# KiCad board Soldermander_panelized_panelized.kicad_pcb (continued)
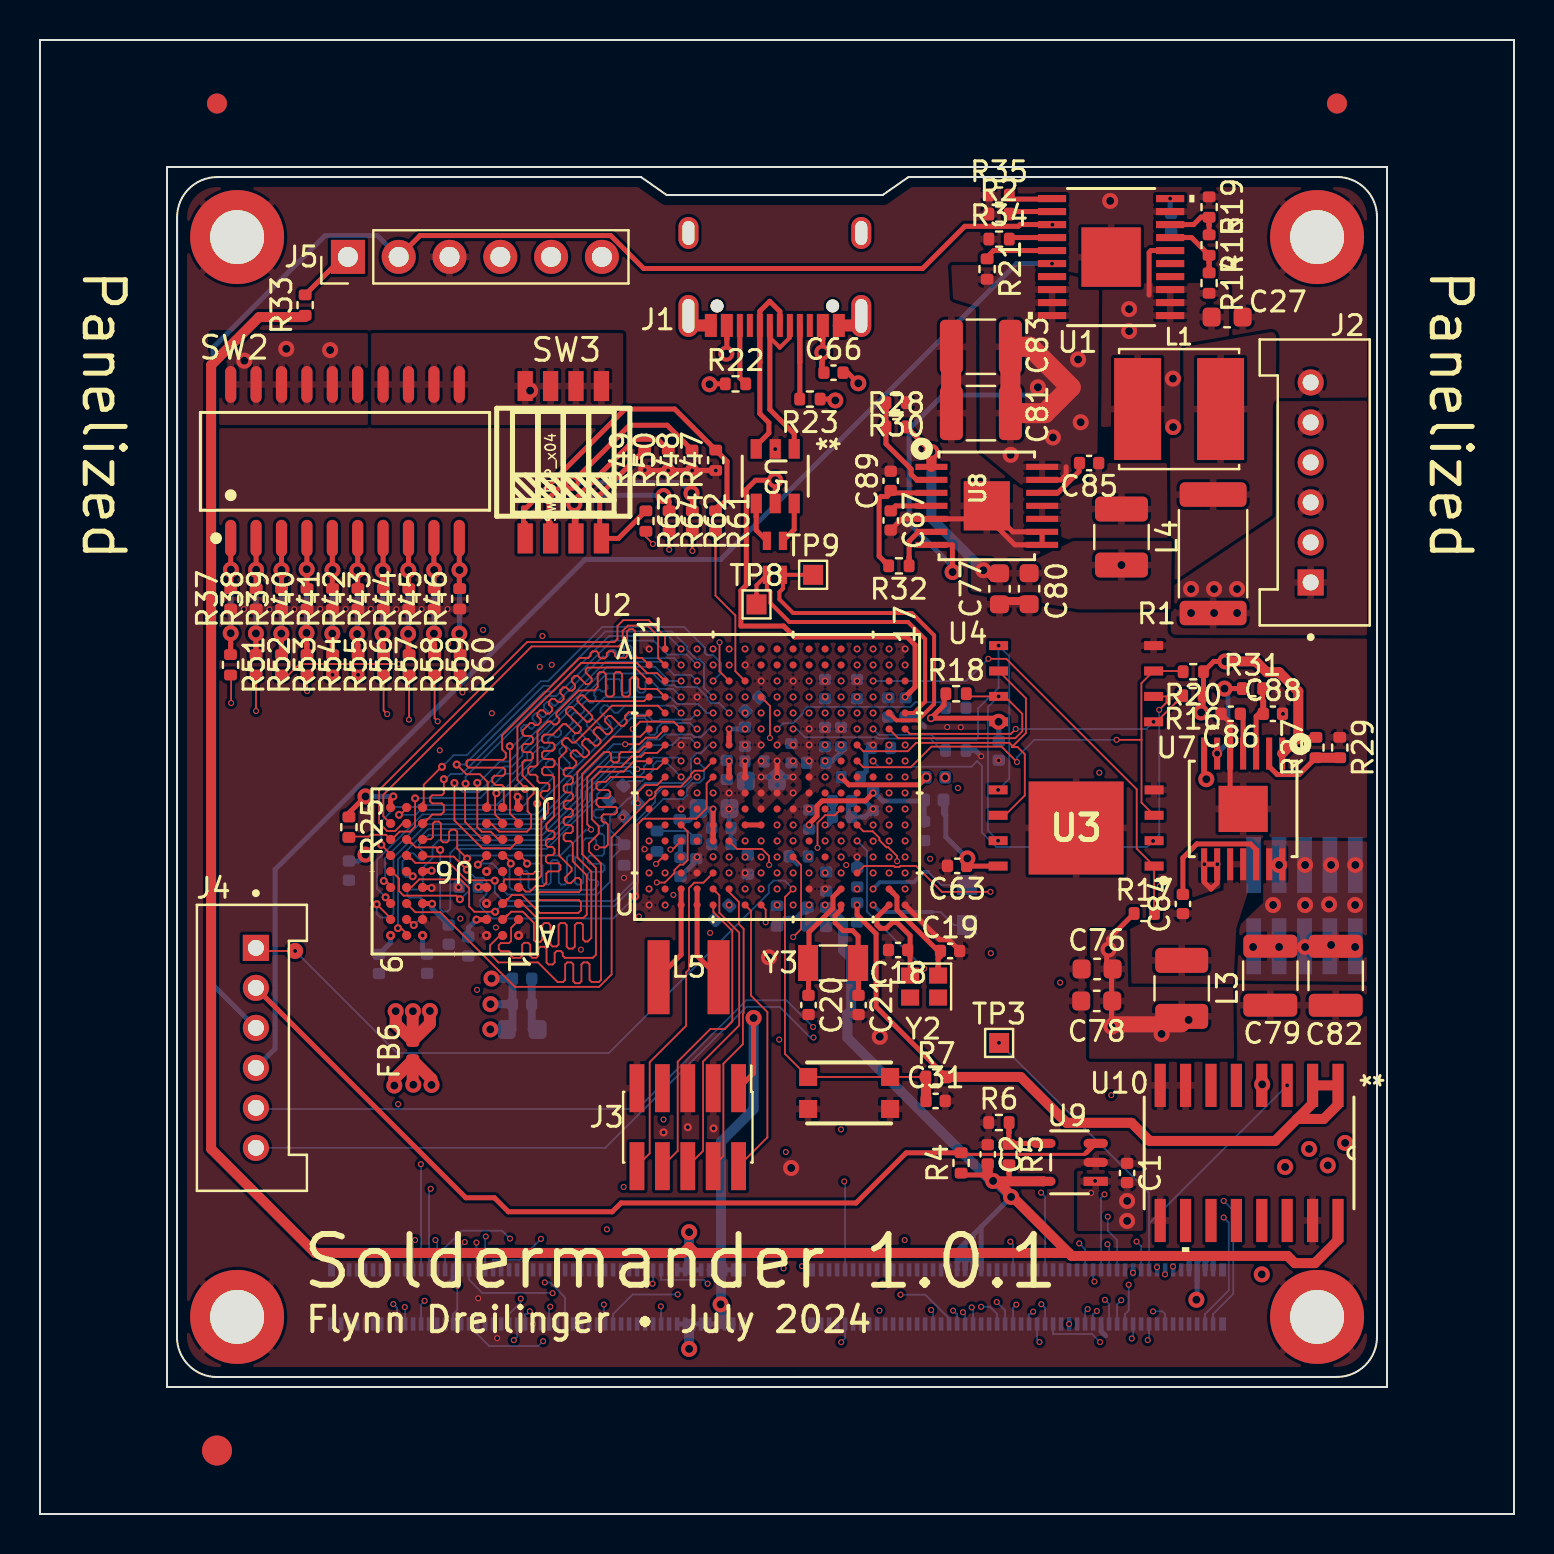
[diagram p0: board, top side]
## Footprints (pads in the part's own frame, mm; a bottom-side part is the same pattern mirrored in y, then rotated) (continued)
TestPoint_Pad_1.0x1.0mm
  rect 1x1 smd: 1(0,0)
U_MIMXRT1176DVMAA_NXP
  round 0.356 smd: A1(-6.4,6.401) A2(-5.6,6.401) A3(-4.8,6.401) A4(-4,6.401) A5(-3.2,6.401) A6(-2.4,6.401) A7(-1.6,6.401) A8(-0.8,6.401) A9(0,6.401) A10(0.8,6.401) A11(1.6,6.401) A12(2.4,6.401) A13(3.2,6.401) A14(4,6.401) A15(4.8,6.401) A16(5.6,6.401) A17(6.4,6.401) B1(-6.4,5.601) B2(-5.6,5.601) B3(-4.8,5.601) B4(-4,5.601) B5(-3.2,5.601) B6(-2.4,5.601) B7(-1.6,5.601) B8(-0.8,5.601) B9(0,5.601) B10(0.8,5.601) B11(1.6,5.601) B12(2.4,5.601) B13(3.2,5.601) B14(4,5.601) B15(4.8,5.601) B16(5.6,5.601) B17(6.4,5.601) C1(-6.4,4.801) C2(-5.6,4.801) C3(-4.8,4.801) C4(-4,4.801) C5(-3.2,4.801) C6(-2.4,4.801) C7(-1.6,4.801) C8(-0.8,4.801) C9(0,4.801) C10(0.8,4.801) C11(1.6,4.801) C12(2.4,4.801) C13(3.2,4.801) C14(4,4.801) C15(4.8,4.801) C16(5.6,4.801) C17(6.4,4.801) D1(-6.4,4) D2(-5.6,4) D3(-4.8,4) D4(-4,4) D5(-3.2,4) D6(-2.4,4) D7(-1.6,4) D8(-0.8,4) D9(0,4) D10(0.8,4) D11(1.6,4) D12(2.4,4) D13(3.2,4) D14(4,4) D15(4.8,4) D16(5.6,4) D17(6.4,4) E1(-6.4,3.2) E2(-5.6,3.2) E3(-4.8,3.2) E4(-4,3.2) E5(-3.2,3.2) E6(-2.4,3.2) E7(-1.6,3.2) E8(-0.8,3.2) E9(0,3.2) E10(0.8,3.2) E11(1.6,3.2) E12(2.4,3.2) E13(3.2,3.2) E14(4,3.2) E15(4.8,3.2) E16(5.6,3.2) E17(6.4,3.2) F1(-6.4,2.4) F2(-5.6,2.4) F3(-4.8,2.4) F4(-4,2.4) F5(-3.2,2.4) F6(-2.4,2.4) F7(-1.6,2.4) F8(-0.8,2.4) F9(0,2.4) F10(0.8,2.4) F11(1.6,2.4) F12(2.4,2.4) F13(3.2,2.4) F14(4,2.4) F15(4.8,2.4) F16(5.6,2.4) F17(6.4,2.4) G1(-6.4,1.6) G2(-5.6,1.6) G3(-4.8,1.6) G4(-4,1.6) G5(-3.2,1.6) G6(-2.4,1.6) G7(-1.6,1.6) G8(-0.8,1.6) G9(0,1.6) G10(0.8,1.6) G11(1.6,1.6) G12(2.4,1.6) G13(3.2,1.6) G14(4,1.6) G15(4.8,1.6) G16(5.6,1.6) G17(6.4,1.6) H1(-6.4,0.8) H2(-5.6,0.8) H3(-4.8,0.8) H4(-4,0.8) H5(-3.2,0.8) H6(-2.4,0.8) H7(-1.6,0.8) H8(-0.8,0.8) H9(0,0.8) H10(0.8,0.8) H11(1.6,0.8) H12(2.4,0.8) H13(3.2,0.8) H14(4,0.8) H15(4.8,0.8) H16(5.6,0.8) H17(6.4,0.8) J1(-6.4,0) J2(-5.6,0) J3(-4.8,0) J4(-4,0) J5(-3.2,0) J6(-2.4,0) J7(-1.6,0) J8(-0.8,0) J9(0,0) J10(0.8,0) J11(1.6,0) J12(2.4,0) J13(3.2,0) J14(4,0) J15(4.8,0) J16(5.6,0) J17(6.4,0) K1(-6.4,-0.8) K2(-5.6,-0.8) K3(-4.8,-0.8) K4(-4,-0.8) K5(-3.2,-0.8) K6(-2.4,-0.8) K7(-1.6,-0.8) K8(-0.8,-0.8) K9(0,-0.8) K10(0.8,-0.8) K11(1.6,-0.8) K12(2.4,-0.8) K13(3.2,-0.8) K14(4,-0.8) K15(4.8,-0.8) K16(5.6,-0.8) K17(6.4,-0.8) L1(-6.4,-1.6) L2(-5.6,-1.6) L3(-4.8,-1.6) L4(-4,-1.6) L5(-3.2,-1.6) L6(-2.4,-1.6) L7(-1.6,-1.6) L8(-0.8,-1.6) L9(0,-1.6) L10(0.8,-1.6) L11(1.6,-1.6) L12(2.4,-1.6) L13(3.2,-1.6) L14(4,-1.6) L15(4.8,-1.6) L16(5.6,-1.6) L17(6.4,-1.6) M1(-6.4,-2.4) M2(-5.6,-2.4) M3(-4.8,-2.4) M4(-4,-2.4) M5(-3.2,-2.4) M6(-2.4,-2.4) M7(-1.6,-2.4) M8(-0.8,-2.4) M9(0,-2.4) M10(0.8,-2.4) M11(1.6,-2.4) M12(2.4,-2.4) M13(3.2,-2.4) M14(4,-2.4) M15(4.8,-2.4) M16(5.6,-2.4) M17(6.4,-2.4) N1(-6.4,-3.2) N2(-5.6,-3.2) N3(-4.8,-3.2) N4(-4,-3.2) N5(-3.2,-3.2) N6(-2.4,-3.2) N7(-1.6,-3.2) N8(-0.8,-3.2) N9(0,-3.2) N10(0.8,-3.2) N11(1.6,-3.2) N12(2.4,-3.2) N13(3.2,-3.2) N14(4,-3.2) N15(4.8,-3.2) N16(5.6,-3.2) N17(6.4,-3.2) P1(-6.4,-4) P2(-5.6,-4) P3(-4.8,-4) P4(-4,-4) P5(-3.2,-4) P6(-2.4,-4) P7(-1.6,-4) P8(-0.8,-4) P9(0,-4) P10(0.8,-4) P11(1.6,-4) P12(2.4,-4) P13(3.2,-4) P14(4,-4) P15(4.8,-4) P16(5.6,-4) P17(6.4,-4) R1(-6.4,-4.801) R2(-5.6,-4.801) R3(-4.8,-4.801) R4(-4,-4.801) R5(-3.2,-4.801) R6(-2.4,-4.801) R7(-1.6,-4.801) R8(-0.8,-4.801) R9(0,-4.801) R10(0.8,-4.801) R11(1.6,-4.801) R12(2.4,-4.801) R13(3.2,-4.801) R14(4,-4.801) R15(4.8,-4.801) R16(5.6,-4.801) R17(6.4,-4.801) T1(-6.4,-5.601) T2(-5.6,-5.601) T3(-4.8,-5.601) T4(-4,-5.601) T5(-3.2,-5.601) T6(-2.4,-5.601) T7(-1.6,-5.601) T8(-0.8,-5.601) T9(0,-5.601) T10(0.8,-5.601) T11(1.6,-5.601) T12(2.4,-5.601) T13(3.2,-5.601) T14(4,-5.601) T15(4.8,-5.601) T16(5.6,-5.601) T17(6.4,-5.601) U1(-6.4,-6.401) U2(-5.6,-6.401) U3(-4.8,-6.401) U4(-4,-6.401) U5(-3.2,-6.401) U6(-2.4,-6.401) U7(-1.6,-6.401) U8(-0.8,-6.401) U9(0,-6.401) U10(0.8,-6.401) U11(1.6,-6.401) U12(2.4,-6.401) U13(3.2,-6.401) U14(4,-6.401) U15(4.8,-6.401) U16(5.6,-6.401) U17(6.4,-6.401)
UDFN800X600X65-8
  rect 0.95x0.45 smd: 1(3.875,-1.905) 2(3.875,-0.635) 3(3.875,0.635) 4(3.875,1.905) 5(-3.875,1.905) 6(-3.875,0.635) 7(-3.875,-0.635) 8(-3.875,-1.905)
USB_C_Receptacle_XKB_U262-161N-4BVC11
  round 0.65 hole 0.65 unplated: (-2.39,4.045) (3.39,4.045)
  rect 0.6x1.15 smd: A1(-2.7,5.02) A4(-1.9,5.02) A9(2.9,5.02) A12(3.7,5.02)
  rect 0.3x1.15 smd: A5(-0.75,5.02) A6(0.25,5.02) A7(0.75,5.02) A8(1.75,5.02) B5(2.25,5.02) B6(1.25,5.02) B7(-0.25,5.02) B8(-1.25,5.02)
  oval 1x2.1 hole 0.6x1.7: S1(-3.82,4.545) S1(4.82,4.545)
  oval 1x1.6 hole 0.6x1.2: S1(-3.82,0.395) S1(4.82,0.395)
VFBGA54_8X8_MRN
  round 0.457 smd: A1(-3.2,3.2) A2(-2.4,3.2) A3(-1.6,3.2) A7(1.6,3.2) A8(2.4,3.2) A9(3.2,3.2) B1(-3.2,2.4) B2(-2.4,2.4) B3(-1.6,2.4) B7(1.6,2.4) B8(2.4,2.4) B9(3.2,2.4) C1(-3.2,1.6) C2(-2.4,1.6) C3(-1.6,1.6) C7(1.6,1.6) C8(2.4,1.6) C9(3.2,1.6) D1(-3.2,0.8) D2(-2.4,0.8) D3(-1.6,0.8) D7(1.6,0.8) D8(2.4,0.8) D9(3.2,0.8) E1(-3.2,0) E2(-2.4,0) E3(-1.6,0) E7(1.6,0) E8(2.4,0) E9(3.2,0) F1(-3.2,-0.8) F2(-2.4,-0.8) F3(-1.6,-0.8) F7(1.6,-0.8) F8(2.4,-0.8) F9(3.2,-0.8) G1(-3.2,-1.6) G2(-2.4,-1.6) G3(-1.6,-1.6) G7(1.6,-1.6) G8(2.4,-1.6) G9(3.2,-1.6) H1(-3.2,-2.4) H2(-2.4,-2.4) H3(-1.6,-2.4) H7(1.6,-2.4) H8(2.4,-2.4) H9(3.2,-2.4) J1(-3.2,-3.2) J2(-2.4,-3.2) J3(-1.6,-3.2) J7(1.6,-3.2) J8(2.4,-3.2) J9(3.2,-3.2)

## Nets
/RT1176 #1/VDD_LPSR_ANA: U2.P12
/RT1176 #1/VDD_LPSR_DIG: C23.1 U2.P11
/RT1176 #1/VDDA_ADC_3P3: C41.1 FB1.1 U2.J13
/RT1176 #3/VDD_MIPI_1P0: R3.1 U2.F10
/RT1176 #3/VDD_MIPI_1P8: R12.1 U2.F9
GND: C1.1 C2.1 C3.1 C4.2 C5.2 C6.2 C7.2 C8.2 C9.2 C10.2 C11.1 C14.2 C16.2 C18.2 C19.2 C20.2 C21.2 C23.2 C24.2 C25.2 C27.2 C28.2 C29.2 C31.2 C34.2 C38.2 C40.2 C41.2 C43.2 C44.2 C45.2 C46.2 C47.2 C48.2 C49.2 C50.2 C51.2 C52.2 C58.2 C59.2 C60.2 C61.2 C62.2 C63.2 C67.2 C68.2 C69.2 C70.2 C71.2 C72.2 C73.2 C74.2 C75.2 C76.1 C77.1 C78.1 C79.2 C80.1 C81.2 C82.2 C83.2 C86.2 C87.2 C88.2 C89.2 H1.1 H2.1 H3.1 H4.1 J2.2 J2.4 J2.6 J3.3 J3.5 J3.9 J5.3 J6.9 J6.10 J6.19 J6.24 J6.29 J6.36 J6.39 J6.49 J6.50 J6.58 J6.59 J6.68 J6.69 J6.78 J6.79 J6.88 J6.89 J6.99 J6.100 J6.MH1 J6.MH2 J6.MH3 J6.MH4 J7.18 J7.27 J7.32 J7.39 J7.46 J7.51 J7.60 J7.63 J7.72 J7.75 J7.84 J7.89 J7.90 J7.91 J7.93 J7.95 J7.96 J7.97 J7.99 J7.MH1 J7.MH2 J7.MH3 J7.MH4 R2.1 R3.2 R6.1 R9.1 R10.1 R12.2 R19.1 R24.2 R29.1 R30.1 R34.1 R35.1 R37.1 R38.1 R39.1 R40.1 R41.1 R42.1 R43.1 R44.1 R45.1 R46.1 R47.1 R48.1 R49.1 R50.1 SW1.B SW1.B' U1.9 U1.21 U2.A1 U2.A17 U2.B7 U2.C8 U2.C10 U2.C12 U2.C14 U2.D4 U2.F11 U2.F12 U2.F13 U2.G3 U2.G7 U2.G8 U2.G9 U2.G10 U2.G11 U2.G15 U2.H7 U2.H11 U2.J7 U2.J11 U2.K6 U2.K7 U2.K11 U2.L3 U2.L6 U2.L10 U2.L11 U2.L15 U2.P4 U2.P14 U2.R4 U2.R7 U2.T11 U2.T12 U2.U1 U2.U17 U3.4 U3.9 U4.4 U5.2 U6.A1 U6.A3 U6.B7 U6.C3 U6.D7 U6.E3 U6.J1 U7.5 U7.8 U7.9 U7.15 U8.5 U8.8 U8.9 U8.15 U9.2 U10.7 U10.8 U10.9 U10.15
GNDREF: C66.2 J1.A1 J1.A12 J1.S1 J5.4 R22.1 R23.1
VBATT: C1.2 C27.1 L1.2 R14.2 U1.1 U1.2 U1.3 U1.6 U9.1
VBATT_IN: J2.1 J2.3 J2.5 J5.5 R1.1
VBATT_SENSE: L1.1 R1.2
VDD_1V8: C47.1 C49.1 C50.1 C51.1 C58.1 C62.1 C63.1 C76.2 C78.2 FB2.1 FB6.1 J7.9 J7.10 J7.11 J7.12 J7.13 J7.14 J7.15 J7.16 L3.2 R16.1 R17.1 R18.1 R20.1 R27.2 SW2.15 SW2.16 SW2.17 SW2.18 SW2.19 SW2.20 U2.D12 U2.D14 U2.F6 U2.F7 U2.G6 U2.G13 U2.H12 U3.8 U4.8 U7.1
VDD_3V3: C9.1 C16.1 C24.1 C28.1 C44.1 C45.1 C46.1 C48.1 C52.1 C59.1 C77.2 C80.2 FB1.2 J3.1 J6.2 J6.4 J6.6 J6.8 J7.1 J7.2 J7.3 J7.4 J7.5 J7.6 J7.7 J7.8 L4.2 R11.2 R28.2 SW2.11 SW2.12 SW2.13 SW2.14 SW3.5 SW3.6 SW3.7 SW3.8 U2.E7 U2.G12 U2.H6 U2.J6 U2.L5 U2.M5 U2.M12 U2.N5 U2.P7 U2.R12 U8.1
VDD_3V3_LP: C2.2 C3.2 J6.60 J6.62 J6.64 J6.66 R4.1 R5.2 R33.1 U2.U12 U9.5 U10.16
VDD_SNVS_ANA: C8.1 C25.1 R7.2 R8.2 U2.U11 U2.U14 U10.1 U10.2
VDD_SNVS_DIG: C14.1 U2.T14
VDD_SOC_IN: C4.1 C6.1 C10.1 U2.H8 U2.H9 U2.H10 U2.J8 U2.J9 U2.J10 U2.K8 U2.K9 U2.K10 U2.L8
VDDA_1P0: U2.N11
/RT1176 #1/CLK1_N: TP2.1 U2.T15
/RT1176 #1/CLK1_P: TP1.1 U2.U15
/RT1176 #1/DCDC_MODE: C7.1 R9.2 U2.N4
/RT1176 #1/DCDC_PSWITCH: C29.1 R11.1 U2.P3
/RT1176 #3/MCM_3V3: C61.1 U2.D16
/RT1176 #3/SEMC_DQS: C5.1 U2.J2
/SDRAM/SDRAM_1V8: C67.1 C68.1 C69.1 C70.1 C71.1 C72.1 C73.1 C74.1 C75.1 FB6.2 R25.1 U6.A7 U6.A9 U6.B3 U6.C7 U6.D3 U6.E7 U6.J9
/SDRAM/SEMC_CLK_R: R26.2 U6.F2
/USB-C/USB_CON_DN: J1.A7 J1.B7 U5.1
/USB-C/USB_CON_DP: J1.A6 J1.B6 U5.3
ADC_1V8_IN: C34.1 C38.1 C40.1 C43.1 FB2.2 U2.G16 U2.K15 U2.M11
BT_CFG_IO_EN: J6.37 U2.P13
CAMERA_TRIG: J7.81 U2.T2
DAC_OUT: J6.20 U2.H16
DCDC_1V8_OUT: U2.M7 U2.M8
EN_ADCS: J4.3 J5.2 J6.22 U1.13 U10.4
EN_LP: J4.2 R4.2 U9.3
ENET_RGMII_MDC: J7.85 U2.U2
ENET_RGMII_MDIO: J7.87 U2.R3
ENET_RGMII_RX_EN: J7.20 U2.E13
ENET_RGMII_RXC: J7.22 U2.D13
ENET_RGMII_RXD0: J7.24 U2.D11
ENET_RGMII_RXD1: J7.26 U2.E11
ENET_RGMII_RXD2: J7.28 U2.E10
ENET_RGMII_RXD3: J7.30 U2.C11
ENET_RGMII_TX_EN_BT: R55.2 U2.B14
ENET_RGMII_TXC_BT: R56.2 U2.A14
ENET_RGMII_TXD0_BT: R54.2 U2.C13
ENET_RGMII_TXD1_BT: R53.2 U2.A15
ENET_RGMII_TXD2_BT: R52.2 U2.E12
ENET_RGMII_TXD3_BT: R51.2 U2.D10
FlexSPI_A_CLK: U2.G14 U3.6 U4.6
FlexSPI_A_D0: U2.F15 U3.5 U4.5
FlexSPI_A_D1: U2.H15 U3.2 U4.2
FlexSPI_A_D2: R20.2 U2.H14 U3.3 U4.3
FlexSPI_A_D3: R18.2 U2.F16 U3.7 U4.7
FlexSPI_A_SS0: R16.2 U2.F17 U4.1
FlexSPI_A_SS1: R17.2 U2.C15 U3.1
GPIO_AD_00: J6.25 U2.N12
GPIO_AD_01: J6.27 U2.R14
GPIO_AD_02: J6.31 U2.R13
GPIO_AD_03: J6.33 U2.P15
GPIO_AD_04: J6.35 U2.M13
GPIO_AD_06: J6.41 U2.N13
GPIO_AD_07: J6.43 U2.T17
GPIO_AD_08: J6.45 U2.R15
GPIO_AD_09: J6.47 U2.R16
GPIO_AD_10: J6.51 U2.R17
GPIO_AD_11: J6.53 U2.P16
GPIO_AD_12: J6.55 U2.P17
GPIO_AD_13: J6.57 U2.L12
GPIO_AD_14: J6.61 U2.N14
GPIO_AD_15: J6.63 U2.M14
GPIO_AD_16: J6.65 U2.N17
GPIO_AD_17: J6.67 U2.N15
GPIO_AD_18: J6.71 U2.M16
GPIO_AD_19: J6.73 U2.L16
GPIO_AD_20: J6.75 U2.K13
GPIO_AD_21: J6.77 U2.K14
GPIO_AD_22: J6.83 U2.K12
GPIO_AD_23: J6.81 U2.J12
GPIO_AD_26: J6.87 U2.L14
GPIO_AD_27: J6.91 U2.N16
GPIO_AD_28: J6.93 U2.L17
GPIO_AD_29: J6.95 U2.M17
GPIO_AD_30: J6.97 U2.K17
GPIO_AD_31: J6.90 U2.J17
GPIO_AD_32: J6.92 U2.K16
GPIO_AD_33: J6.94 U2.H17
GPIO_AD_34: J6.96 U2.J16
GPIO_AD_35: J6.98 U2.G17
GPIO_DISP_B2_00: R57.2 U2.E8
GPIO_DISP_B2_01: R58.2 U2.F8
GPIO_DISP_B2_02: R59.2 U2.E9
GPIO_DISP_B2_03: R60.2 U2.D7
GPIO_DISP_B2_04: R61.2 U2.C7
GPIO_DISP_B2_05: R62.2 U2.C9
GPIO_DISP_B2_06: J7.62 U2.C6
GPIO_DISP_B2_07: J7.64 U2.D6
GPIO_DISP_B2_08: J7.66 U2.B5
GPIO_DISP_B2_09: J7.68 U2.D8
GPIO_DISP_B2_10: J7.70 U2.D9
GPIO_DISP_B2_11: J7.74 U2.A6
GPIO_DISP_B2_12: J7.76 U2.B6
GPIO_DISP_B2_13: J7.78 U2.A5
GPIO_DISP_B2_14: J7.80 U2.A7
GPIO_DISP_B2_15: J7.82 U2.A4
GPIO_EMC_B1_40: J6.52 U2.K1
GPIO_EMC_B1_41: J6.54 U2.L1
GPIO_EMC_B2_00: J7.41 U2.K2
GPIO_EMC_B2_01: J7.43 U2.K4
GPIO_EMC_B2_02: J7.45 U2.K3
GPIO_EMC_B2_03: J7.47 U2.R1
GPIO_EMC_B2_04: J7.49 U2.M1
GPIO_EMC_B2_05: J7.53 U2.N1
GPIO_EMC_B2_06: J7.55 U2.T1
GPIO_EMC_B2_07: J7.57 U2.M3
GPIO_EMC_B2_08: J7.59 U2.P1
GPIO_EMC_B2_09: J7.61 U2.N2
GPIO_EMC_B2_10: J7.65 U2.R2
GPIO_EMC_B2_11: J7.67 U2.L4
GPIO_EMC_B2_12: J7.69 U2.M2
GPIO_EMC_B2_13: J7.71 U2.K5
GPIO_EMC_B2_14: J7.73 U2.M4
GPIO_EMC_B2_15: J7.77 U2.L2
GPIO_EMC_B2_16: J7.79 U2.P2
GPIO_EMC_B2_18: J7.83 U2.N3
GPIO_LPSR_00: J6.1 U2.N6
GPIO_LPSR_01: J6.3 U2.R6
GPIO_LPSR_02: R63.2 U2.P6
GPIO_LPSR_03: R64.2 U2.T7
GPIO_LPSR_04: J6.11 U2.N7
GPIO_LPSR_05: J6.13 U2.N8
GPIO_LPSR_06: J6.15 U2.P8
GPIO_LPSR_07: J6.17 U2.R8
GPIO_LPSR_08: J6.21 U2.U8
GPIO_LPSR_09: J6.23 U2.P5
GPIO_SD_B1_00: J6.26 U2.B16
GPIO_SD_B1_01: J6.28 U2.D15
GPIO_SD_B1_03: J6.30 U2.B17
GPIO_SD_B1_04: J6.32 U2.B15
GPIO_SD_B1_05: J6.34 U2.A16
GPIO_SNVS_00: J7.17 U2.R10
GPIO_SNVS_01: J7.19 U2.P10
GPIO_SNVS_02: J7.21 U2.L9
GPIO_SNVS_03: J7.23 U2.M10
GPIO_SNVS_04: J7.25 U2.N10
GPIO_SNVS_05: J7.29 U2.P9
GPIO_SNVS_06: J7.31 U2.M9
GPIO_SNVS_07: J7.33 U2.R9
GPIO_SNVS_08: J7.35 U2.N9
GPIO_SNVS_09: J7.37 U2.R11
JTAG_MOD: R10.2 U2.U6
JTAG_TDI: J3.8 U2.U5
JTAG_TDO: J3.6 U2.T5
LPUART1_RX_BOOT: J4.6 U2.M15
LPUART1_TX_BOOT: J4.5 U2.L13
ONOFF: J6.12 U2.U10
OTG1_D_N: L2.3 TP9.1 U2.E16
OTG1_D_P: L2.2 TP8.1 U2.E17
P_GOOD: J4.4 U1.16
PMIC_ON_REQ: J6.18 R8.1 TP3.1 U2.U9 U10.3
PMIC_STBY_REQ: J6.14 U2.T9
POR_B: C31.1 J4.1 R7.1 SW1.A SW1.A' U2.T10
SEMC_A0: U2.A3 U6.H7
SEMC_A1: U2.A2 U6.H8
SEMC_A2: U2.C2 U6.J8
SEMC_A3: U2.C5 U6.J7
SEMC_A4: U2.D5 U6.J3
SEMC_A5: U2.B1 U6.J2
SEMC_A6: U2.C1 U6.H3
SEMC_A7: U2.D3 U6.H2
SEMC_A8: U2.B3 U6.H1
SEMC_A9: U2.B4 U6.G3
SEMC_A10: U2.B2 U6.H9
SEMC_A11: U2.C4 U6.G2
SEMC_A12: U2.C3 U6.G1
SEMC_BA0: U2.G2 U6.G7
SEMC_BA1: U2.H2 U6.G8
SEMC_CAS: U2.J5 U6.F7
SEMC_CKE: R24.1 U2.G5 U6.F3
SEMC_CLK: R26.1 U2.J3
SEMC_CS0: R25.2 U2.E6 U6.G9
SEMC_D0: U2.F3 U6.A8
SEMC_D1: U2.F2 U6.B9
SEMC_D2: U2.G4 U6.B8
SEMC_D3: U2.E4 U6.C9
SEMC_D4: U2.H5 U6.C8
SEMC_D5: U2.F4 U6.D9
SEMC_D6: U2.H4 U6.D8
SEMC_D7: U2.H3 U6.E9
SEMC_D8: U2.E3 U6.E1
SEMC_D9: U2.D2 U6.D2
SEMC_D10: U2.D1 U6.D1
SEMC_D11: U2.E2 U6.C2
SEMC_D12: U2.E1 U6.C1
SEMC_D13: U2.F1 U6.B2
SEMC_D14: U2.G1 U6.B1
SEMC_D15: U2.H1 U6.A2
SEMC_DM0: U2.F5 U6.E8
SEMC_DM1: U2.J1 U6.F1
SEMC_RAS: U2.J4 U6.F8
SEMC_WE: U2.E5 U6.F9
SWD_CLK: J3.4 U2.T6
SWD_DIO: J3.2 U2.U7
SWD_RESET: J3.10 U2.R5
USB_CC1: J1.A5 R23.2
USB_CC2: J1.B5 R22.2
USDHC2_CLK: J6.46 U2.F14
USDHC2_CMD: J6.48 U2.E14
USDHC2_DATA0: J6.44 U2.E15
USDHC2_DATA1: J6.42 U2.H13
USDHC2_DATA2: J6.40 U2.J14
USDHC2_DATA3: J6.38 U2.J15
VSYS: C79.1 C81.1 C82.1 C83.1 J8.1 J8.2 J8.3 J8.4 J8.5 J8.6 J8.7 J8.8 J8.9 J8.10 R21.2 U1.18 U1.19 U1.20 U7.7 U7.13 U7.14 U8.7 U8.13 U8.14
VUSB: C60.1 C66.1 J1.A4 J1.A9 J5.6 U2.D17 U5.5
WAKEUP: J6.16 U2.T8
Net-(J5-Pin_1): J5.1 R33.2
Net-(R37-Pad2): R37.2 R51.1 SW2.1
Net-(R38-Pad2): R38.2 R52.1 SW2.2
Net-(R39-Pad2): R39.2 R53.1 SW2.3
Net-(R40-Pad2): R40.2 R54.1 SW2.4
Net-(R41-Pad2): R41.2 R55.1 SW2.5
Net-(R42-Pad2): R42.2 R56.1 SW2.6
Net-(R43-Pad2): R43.2 R57.1 SW2.7
Net-(R44-Pad2): R44.2 R58.1 SW2.8
Net-(R45-Pad2): R45.2 R59.1 SW2.9
Net-(R46-Pad2): R46.2 R60.1 SW2.10
Net-(R47-Pad2): R47.2 R61.1 SW3.1
Net-(R48-Pad2): R48.2 R62.1 SW3.2
Net-(R49-Pad2): R49.2 R63.1 SW3.4
Net-(R50-Pad2): R50.2 R64.1 SW3.3
Net-(U1-*FLT): R21.1 U1.15
Net-(U1-DVDT): C11.2 U1.10
Net-(U1-ILIM): R35.2 U1.11
Net-(U1-IMON): R34.2 U1.14
Net-(U1-MODE): R2.2 U1.12
Net-(U1-OVP): R15.1 R19.2 U1.8
Net-(U1-UVLO): R14.1 R15.2 U1.7
Net-(U2A-RTC_XTALI): C20.1 U2.T13 Y3.2
Net-(U2A-RTC_XTALO): C21.1 U2.U13 Y3.1
Net-(U2C-DCDC_LN_1): L5.2 U2.T4 U2.U4
Net-(U2C-DCDC_LP_1): L5.1 U2.T3 U2.U3
Net-(U2E-XTALI): C18.1 U2.U16 Y2.2
Net-(U2E-XTALO): C19.1 U2.T16 Y2.1
Net-(U5-IO_1_OUT): L2.4 U5.6
Net-(U5-IO_2_OUT): L2.1 U5.4
Net-(U7-PG): R31.1 U7.6
Net-(U7-SS): C86.1 U7.4
Net-(U7-SW1): C84.1 L3.1 U7.10 U7.11
Net-(U7-VBST): C84.2 U7.12
Net-(U7-VFB): R27.1 R29.2 U7.2
Net-(U7-VREG5): C88.1 R31.2 U7.3
Net-(U8-PG): R32.1 U8.6
Net-(U8-SS): C87.1 U8.4
Net-(U8-SW1): C85.1 L4.1 U8.10 U8.11
Net-(U8-VBST): C85.2 U8.12
Net-(U8-VFB): R28.1 R30.2 U8.2
Net-(U8-VREG5): C89.1 R32.2 U8.3
Net-(U9-ADJ): R5.1 R6.2 U9.4

Pads without a net: J1 A8 B8; J3 7; J6 5 7 56 70 72 74 76 80 82 84 85 86; J7 34 36 38 40 42 44 48 50 52 54 56 58 86 88 92 94 98 100; U1 4 5 17; U2 A8 A9 A10 A11 A12 A13 B8 B9 B10 B11 B12 B13 C16 C17 L7 M6; U6 E2; U10 5 6 10 11 12 13 14; Y2 3 4

## Via types
v1: diameter 0.3, hole 0.2, Top to Bottom, 354 vias
v2: diameter 0.4, hole 0.2, Top to Bottom, 40 vias
v3: diameter 0.8, hole 0.4, Top to Bottom, 106 vias
v4: diameter 0.5, hole 0.3, Top to Bottom, 3 vias
v5: diameter 0.8, hole 0.2, Top to Bottom, 2 vias
v6: diameter 0.4, hole 0.25, Top to Bottom, 1 via
v7: diameter 0.406, hole 0.203, Top to Bottom, 6 vias

## Routing (per net, layer and track width the routed paths; a pad name or vN(x,y) marks a point on that pad's centre or on a via; arc(x,y) is an arc through that point)
/RT1176 #1/VDD_LPSR_DIG: length 0.1
  Bottom w0.25: C23.1 38.43,32.88 v1(38.46,32.86)
/RT1176 #1/VDDA_ADC_3P3: length 4.6
  Top w0.25: v4(44.32,36.84) 43.94,36.46 40.45,36.46 v1(40.06,36.86)
  Bottom w0.25: FB1.1 44.31,36.84 v4(44.32,36.84) ; C41.1 40.06,36.85 v1(40.06,36.86)
/RT1176 #3/VDD_MIPI_1P0: length 8.3
  Bottom w0.09: 45.32,38.26 45.32,38.22 R3.1 ; 45.32,38.26 45.43,38.26 ; 45.32,38.26 45.02,38.26 44.5,38.78 41.87,38.78 41.82,38.84 38.25,38.84 37.84,39.26 v1(37.66,39.26)
/RT1176 #3/VDD_MIPI_1P8: length 9.2
  Top w0.09: v1(36.86,39.25) U2.F9
  Bottom w0.09: 36.86,39.25 36.86,39.24 ; 36.86,39.25 37.16,39.54 37.65,39.54 38.16,40.06 38.16,40.17 38.35,40.36 43.53,40.36 43.76,40.59 45,40.59 R12.1 ; 36.86,39.25 v1(36.86,39.25)
GND: length 52.3
  Top w0.25: v1(35.26,37.66) U2.J7 ; C86.2 59.51,39.56 59.51,35.91 U7.15 ; v2(23.88,35.86) 23.88,35.38 U6.J1 ; 47.98,45.79 C77.1 ; R47.1 R48.1 R50.1 R49.1 ; v2(19.58,31.3) 19.55,31.33 U6.D7 ; 49.09,45.79 49.08,45.79 ; 47.86,49.96 47.86,49.36 48.75,48.46 50.11,48.46 50.11,49.11 48.64,49.11 U8.15 46.69,49.76 U8.5 43.09,49.76 C87.2 42.54,49.19 ; 46.01,28.16 45.44,28.72 44.99,28.72 U2.U17 ; U7.8 U7.9 58.86,31.56 58.56,31.26 58.21,31.6 U7.8
  Top w0.4: 47.98,45.66 49.09,45.66
  Top w1: 45.57,58.37 45.56,58.36 45.56,55.06 45.57,55.05
  Bottom w0.25: v2(20.93,31.35) 21.1,31.35 21.1,31.37 ; 43.63,39.85 43.74,39.85 ; 43.63,39.85 43.74,39.85 ; 43.63,39.85 C60.2 ; 43.74,39.85 43.81,39.85 ; 43.74,39.85 44.23,39.36 ; v1(38.46,37.66) 38.57,37.66 ; J6.29 53.06,9.14 53.28,8.91 ; 40.38,34.86 40.42,34.9 40.42,35.62 40.38,35.66 C46.2 41.26,35.66 v1(41.66,35.26) 41.26,34.86 C44.2 40.38,34.86 ; 40.38,34.86 40.42,34.82 ; C14.2 40.86,32.85 v1(40.86,32.86) ; C23.2 37.48,32.88 37.87,32.49 ; C41.2 41.31,37.13 41.31,37.49 41.29,37.5 41.29,38.09 41.51,38.31 C40.2 ; C29.2 32.81,32.66 C7.2 ; v1(34.46,35.26) 34.46,34.41 C28.2 C24.2 ; R3.2 46.77,38.18 v1(47.06,37.89) ; J7.72 20.66,11.72 20.49,11.55 20.41,11.55 ; 38.43,29.56 39.28,29.56
  Bottom w0.4: 24.61,25.5 C68.2 ; C68.2 C69.2 ; C68.2 24.59,24.23 C67.2
  vias: v1(10.2,45.25) v1(11.47,45.23) v1(12.72,45.24) v1(14.01,45.26) v1(15.28,45.25) v1(16.54,45.26) v1(17.82,45.24) v1(19.08,45.25) v1(20.38,45.25) v1(21.91,10.78) v1(22.56,11.47) v1(22.86,8.79) v1(24.66,9.5) v1(29.12,34.84) v1(29.2,31.81) v1(30.24,52.2) v1(30.23,33.24) v1(30.46,43.25) v1(30.46,30.45) v1(31.41,52.18) v1(32.06,38.46) v1(32.06,35.25) v1(32.61,52.18) v1(32.86,40.85) v1(32.86,32.85) v1(33.79,52.18) v1(34.46,36.06) v1(35.26,42.45) v1(35.26,38.46) v1(35.26,32.06) v1(36.06,41.65) v1(36.06,38.45) v1(36.76,53.25) v1(36.86,38.46) v1(37.66,41.65) v1(37.66,38.46) v1(38.46,39.26) v1(38.46,38.46) v1(38.46,35.26) v1(39.26,41.66) v1(39.26,39.26) v1(39.26,31.26) v1(40.06,39.26) v1(40.86,41.66) v1(41.66,38.46) v1(43.26,43.26) v1(45.36,39.35) v1(46.04,39.34) v1(47.93,37.68) v1(58.22,32.49) v1(58.87,32.49) v1(61.91,41.17) v1(62.15,40.01) v2(22.33,32.13) v2(22.33,30.53) v2(22.32,28.93) v2(23.93,28.93) v2(31.18,19.08) v2(32.39,19.34) v2(33.68,19.28) v3(36.45,27.83) v3(37.56,17.3) v3(41.99,23.86) v3(53.51,65.66)
GNDREF: length 5.3
  Top w0.25: C66.2 40.39,57.08 v3(40.92,56.55) ; R23.1 39.7,55.76 v3(39.77,55.69) ; v3(33.48,56.5) 33.5,56.52 R22.1 ; 40.59,59.44 40.98,59.83 ; 40.98,59.83 J1.S1 40.98,59.83 ; 32.9,59.44 J1.S1
  Top w0.6: J1.A12 32.9,59.44 ; J1.A1 40.59,59.44
VBATT: length 3.2
  Top w0.25: U1.6 55.55,63.18 55.46,63.08 55.46,60.96
  vias: v1(52.56,16.06) v1(52.76,16.66) v3(54.36,15.66) v3(54.36,14.66) v3(54.46,60.26) v3(54.46,59.16) v3(56.65,56.78) v3(56.66,54.36) v3(62.26,17.36) v3(63.46,18.26) v3(64.39,17.43) v3(65.26,18.56)
VBATT_IN:
  vias: v3(57.56,46.26) v3(57.56,45.06) v3(58.71,46.26) v3(58.71,45.06) v3(59.86,46.26) v3(59.86,45.06)
VDD_1V8: length 50
  Top w0.25: R20.1 58.18,41.33 ; R20.1 58.22,42.17 ; R20.1 58.22,42.17 ; 58.18,41.33 58.25,41.26 58.25,40.92 ; 58.18,41.33 58.18,40.94 58.17,40.93 ; 62.7,38.63 62.99,38.63 63.2,38.83 63.79,38.83 ; U3.8 46.5,32.4 46.47,32.43 ; 58.27,42.21 58.69,42.64 v3(59.27,42.64) ; 58.27,42.21 58.22,42.17 ; 58.27,42.21 58.27,42.12 ; 34.46,38.86 U2.G6 34.46,38.86 ; 34.46,38.86 v1(34.46,39.26) ; 63.8,38.83 63.79,38.83 ; 63.79,38.83 R27.2 ; v3(58.06,40.09) 58.16,40.19 R16.1 ; 18.64,21.5 v3(18.67,21.47) ; v3(53.58,24.38) 53.58,27.2 53.63,27.26 ; C63.1 46.34,32.42 46.46,32.42 ; 47.84,39.71 U4.8 ; 47.84,39.71 v3(47.93,39.62) ; 47.84,39.71 47.75,39.8 v6(44.55,39.8) 45.21,40.45 45.21,40.74 ; 46.47,32.43 46.37,32.53 v3(46.37,32.78) ; 46.47,32.43 46.46,32.42 46.46,32.42 ; 46.46,32.42 46.46,32.41 ; 58.17,40.93 R16.1 ; 58.17,40.93 R16.1 ; 39.26,40.87 U2.D12 39.26,40.87 ; 39.26,40.87 v1(39.26,40.88) ; 54.62,29.99 54.66,29.99 R17.1 ; 54.62,29.99 54.62,29.94 53.43,28.76 v3(53.43,28.23) 53.34,28.13 53.34,26.97 ; 54.62,29.99 54.62,30.03 ; 45.21,40.74 45.3,40.83 R18.1 ; 45.21,40.74 45.21,41.02 ; 62.41,38.33 U7.1 62.11,38.03 ; v1(40.86,40.86) U2.D14 v1(40.86,40.86)
  Top w0.5: 62.11,38.03 62.7,38.63 62.92,38.84 62.92,41.13 61.96,42.1 61.34,42.1 60.8,42.64 v3(59.27,42.64)
  Top w0.6: v3(17.72,21.43) 17.72,21.77 FB6.1 ; v3(19.58,21.46) 19.58,21.75 FB6.1 ; FB6.1 18.64,21.5
  Top w0.8: 57.09,24.49 53.69,24.49 v3(53.58,24.38)
  Bottom w0.25: J7.9 J7.11 J7.13 J7.15 ; 39.38,37.66 39.62,37.66 40.06,38.1 40.06,38.24 ; 39.38,37.66 C58.1 ; 39.38,37.66 v1(39.26,37.66) ; v3(46.37,32.78) 45.29,33.86 45.29,34.91 ; 35.15,39.26 C51.1 ; 35.15,39.26 v1(34.46,39.26) ; 35.15,39.26 v1(35.26,39.26) ; J7.10 J7.12 J7.14 J7.16 ; 45.29,34.91 45.29,35.71 ; 45.29,34.91 45.18,35.03 FB2.1 ; v1(39.26,40.88) C47.1 ; 40.06,38.24 C50.1 40.06,38.24 ; C62.1 47.94,39.61 v3(47.93,39.62) ; v1(40.86,40.86) C49.1
  Bottom w0.5: 32.46,12.21 v3(32.46,14.1) ; 32.46,9.5 v3(32.46,8.26)
  vias: v1(40.06,38.46) v3(10.22,57.68) v3(12.32,58.27) v3(14.51,58.21) v3(56.08,24) v3(57.43,24.71)
VDD_3V3: length 77.5
  Top w0.25: U2.H6 34.46,37.65 ; 34.46,37.65 34.46,37.26 ; 34.46,37.65 v1(34.45,37.65) ; 44.57,52.74 U8.1 ; v3(47.17,47.2) 47.62,46.75 47.98,46.75 ; 34.46,37.26 U2.J6 34.46,37.26 ; 33.66,35.25 U2.L5 33.66,35.25 ; 33.66,35.25 33.66,35.25 ; 43.77,53.92 43.76,53.92 43.31,54.37 ; 43.77,53.92 44.21,53.48 44.24,53.48 44.24,53.45 v3(44.57,53.11) ; 43.77,53.92 43.54,54.14 ; 33.66,35.25 v1(33.66,35.25) ; 33.66,35.25 U2.M5 33.66,34.06 ; 43.54,54.14 R28.2 43.54,54.14 ; U2.E7 v1(35.26,40.05) ; U2.R12 39.26,32.06 v1(39.26,32.06) ; J3.1 35.68,22.04 v3(35.68,24.8) ; 33.66,34.06 U2.N5 33.66,34.06
  Top w0.5: U8.1 v3(44.57,53.11)
  In2.Cu w0.25: v3(57.82,10.71) 57.57,10.97 55.84,10.97 53.98,9.1 35.41,9.1 v3(34.03,10.49)
  In3.Cu w0.25: v1(39.26,38.46) 40.24,37.47 40.66,37.47
  Bottom w0.25: v3(57.82,10.71) 57.86,10.75 57.86,11.67 ; J7.1 J7.3 J7.5 J7.7 ; 39.66,35.29 39.63,35.32 C46.1 ; 39.66,35.29 39.66,35.48 ; 39.66,35.29 39.66,35.1 ; v1(39.26,32.06) 39.26,32.06 C9.1 ; C52.1 34.38,37.65 v1(34.45,37.65) ; 57.86,11.67 57.86,12.59 ; 57.86,11.67 J6.6 ; 57.86,12.59 57.86,12.79 57.46,12.79 57.46,12.5 ; 57.86,12.59 58.06,12.79 58.26,12.79 58.26,12.59 ; 32.05,34.67 R11.2 ; 32.05,34.67 32.45,34.67 32.92,35.15 C16.1 32.95,35.25 33.41,35.25 ; 32.05,34.67 32.02,34.67 ; 33.41,35.25 v1(33.66,35.25) ; 33.41,35.25 33.59,35.07 C28.1 C24.1 ; 39.66,35.1 39.63,35.07 C44.1 ; 39.66,35.1 39.66,34.71 ; 39.66,34.71 39.74,34.8 ; 39.66,34.71 39.4,34.46 v1(39.26,34.46) ; v3(34.03,10.49) 34.03,10.31 34.06,10.28 ; 58.66,12.5 J6.2 58.66,12.5 ; 58.66,12.5 58.66,12.79 58.46,12.79 58.26,12.59 ; 58.26,12.4 J6.4 58.26,12.4 ; 58.26,12.4 58.26,12.59 ; J7.2 J7.4 J7.6 J7.8 ; v1(35.26,32.86) 35.29,32.86 C45.1 ; 57.46,12.5 J6.8 57.46,12.5 ; C48.1 35.28,40.07 v1(35.26,40.05) ; v1(39.26,38.46) C59.1
  Bottom w0.5: v3(47.17,47.2) 44.57,49.79 v3(44.57,53.11) ; v3(35.68,24.8) 35.68,20.24 34.05,18.61 34.05,12.22 34.06,12.21 34.06,9.5
  vias: v3(24.51,56.18) v3(54.08,47.46) v4(45.26,36.84)
VDD_3V3_LP: length 150.6
  Top w0.25: 64.9,14.19 U10.16 ; 47.39,16.89 47.64,16.64 ; 48.45,17.26 48.45,17.05 48.46,17.04 ; 48.45,17.26 48.45,17.48 ; 48.45,17.26 R5.2 ; R4.1 46.06,16.96 47.32,16.96 ; 47.39,17.19 C2.2 ; 48.46,17.04 48.46,16.65 48.45,16.64 ; 48.46,17.04 48.46,17.44 ; 13.17,59.86 R33.1
  Top w0.5: 13.26,59.86 10.96,59.86 8.56,57.46 8.56,18.26 13.76,13.06 32.16,13.06 32.46,13.36 32.76,13.06 51.44,13.06 ; 51.44,13.06 48.64,15.86 v3(48.56,15.86) 48.56,15.94 47.86,16.64 ; 51.44,13.06 51.59,12.9 62.38,12.9 62.74,12.55 63.75,12.55 64.9,13.7 U10.16 ; 47.39,16.89 47.64,16.64 47.86,16.64 ; 47.39,16.89 47.32,16.96 ; 47.39,16.89 47.39,17.49 ; U9.5 47.86,16.64
  Bottom w0.25: v1(39.26,30.46) 39.26,30.42 39.34,30.34 ; 39.31,30.13 39.39,30.04 39.67,30.04 ; 46.26,13.56 46.26,12.59 ; 46.26,13.56 45.86,13.16 45.86,12.59 ; 46.26,13.56 46.66,13.96 ; 46.26,12.59 46.46,12.79 46.66,12.79 J6.62 46.66,12.59 ; 46.26,12.59 J6.64 46.26,12.79 46.06,12.79 45.86,12.59 ; v3(47.66,16.66) 47.76,16.66 ; 45.86,12.59 J6.66 ; 47.06,14.36 46.66,13.96 ; 47.06,14.36 v3(48.56,15.86) ; 47.06,14.36 J6.60 47.06,12.79 46.86,12.79 46.66,12.59 ; 46.66,13.96 46.66,12.59
  Bottom w0.5: 47.78,16.64 47.68,16.64 v3(47.66,16.66) 47.64,16.64 47.55,16.64 40.37,23.82 40.37,25.01 40.56,25.19 40.56,27.81 40.16,28.21 40.16,29.56 39.67,30.04 39.38,30.34 C3.2 ; 47.78,16.64 v3(48.56,15.86) ; 47.78,16.64 47.76,16.66
VDD_SNVS_ANA: length 41.8
  Top w0.25: 64.9,20.47 U10.1 ; v1(40.86,30.46) 40.86,29.96 41.81,29.01 41.81,25.37 R7.2 ; U10.2 63.63,21.43 63.63,20.53
  Top w0.5: 62.86,19.76 63.63,20.53 ; 62.86,19.76 61.76,18.66 55.48,18.66 54.58,19.56 51.33,19.56 49.04,21.86 R7.2 ; 62.86,19.76 64.19,19.76 64.9,20.47 ; 63.63,21.43 U10.1
  In2.Cu w0.25: v1(38.46,30.46) 38.46,30.5 38.45,30.5 38.77,30.82 40.49,30.82 v1(40.86,30.46)
  Bottom w0.25: v1(38.46,30.46) 38.38,30.38 C25.1 38.38,30.36 38.11,30.09 ; 37.05,29.59 37.04,29.59 36.86,29.41 R8.2 37.05,29.59 ; 37.05,29.59 37.25,29.79 37.81,29.79 38.11,30.09 ; 38.11,30.09 38.32,30.09 38.38,30.15 ; C8.1 v1(40.86,30.46)
VDD_SNVS_DIG: length 0.1
  Bottom w0.25: v1(40.86,31.26) 40.86,31.36 C14.1
VDD_SOC_IN: length 6.3
  Top w0.25: v1(36.86,37.66) v1(36.86,36.86)
  In1.Cu w0.25: v1(36.06,37.66) v1(36.86,37.66)
  In2.Cu w0.25: v1(37.66,37.66) v1(37.66,36.86) v1(37.66,36.06)
  Bottom w0.25: 36.86,37.26 37.26,36.86 v1(37.66,36.86) ; 36.86,37.26 36.46,36.86 v1(36.06,36.86) ; 36.86,37.26 v1(36.86,37.66) ; 36.86,37.08 v1(36.86,36.86) 36.84,36.84 36.84,36.65 ; v1(36.06,37.66) 36.19,37.66 C10.1 ; v1(37.66,37.66) 37.57,37.57 C6.1
/RT1176 #1/CLK1_N: length 5.3
  Bottom w0.09: 44.41,32.11 45.06,31.46 TP2.1
  Bottom w0.2: v1(41.66,31.26) 42,31.6 43.7,31.6 44.21,32.11 44.41,32.11
/RT1176 #1/CLK1_P: length 5.1
  Bottom w0.09: 44.61,30.11 45.04,30.11 45.69,29.46 TP1.1
  Bottom w0.2: 44.61,30.11 42.01,30.11 v1(41.66,30.46)
/RT1176 #1/DCDC_MODE: length 2.1
  Bottom w0.09: C7.1 32.39,34.15 R9.2
/RT1176 #1/DCDC_PSWITCH: length 0.9
  Bottom w0.25: 32,32.85 C29.1 ; 32,32.85 32.02,32.87 32.02,33.68 R11.1 ; 32,32.85 31.98,32.83
/RT1176 #3/MCM_3V3: length 0.1
  Top w0.25: v1(42.46,40.86) U2.D16 v1(42.46,40.86)
  Bottom w0.25: v1(42.46,40.86) 42.46,40.83 42.44,40.81 C61.1
/RT1176 #3/SEMC_DQS: length 2.2
  Top w0.09: U2.J2 30.86,36.46 30.26,36.46 29.9,36.1 v1(29.9,35.55)
/SDRAM/SDRAM_1V8: length 22.1
  Top w0.25: 19.19,30.54 19.14,30.54 U6.C7 ; R25.1 15.45,35.06 v3(16.28,35.89) ; U6.E7 19.15,32.15 19.19,32.15 ; U6.J9 17.53,35.75 v2(17.67,35.88) ; 22.31,31.36 U6.D3 ; v3(18.65,25.15) 18.64,25.14 ; 22.32,29.72 U6.B3
  Top w0.254: v7(21.83,29.72) 22.32,29.72 ; v7(19.58,32.17) 19.57,32.16 19.2,32.16 19.19,32.14 ; v7(21.91,31.36) 22.31,31.36 ; v7(19.6,30.51) 19.59,30.53 19.2,30.53 19.19,30.54
  Top w0.6: FB6.2 17.79,24.51 v3(17.79,25.15) ; FB6.2 18.64,25.14 ; FB6.2 19.5,24.52 v3(19.5,25.16)
  Bottom w0.25: C75.1 19.6,30.29 v7(19.6,30.51) ; v7(21.91,31.36) 21.91,31.36 C73.1 ; v3(16.28,35.89) 16.28,35.88 v2(17.67,35.88) ; C70.1 19.13,28.22 v7(19.13,28.93) ; v3(16.28,32.98) 15.96,32.66 C74.1 ; 21.42,28.66 C71.1 21.42,29.31 v7(21.83,29.72) ; C72.1 17.53,28.57 v7(17.53,28.93) ; 22.59,26.77 v3(22.58,26.78) ; 22.53,24.23 v3(22.52,24.24)
  Bottom w0.4: C68.1 v3(22.53,25.5) ; C68.1 C69.1 22.59,26.77 ; C68.1 23.63,24.23 C67.1 22.53,24.23
/SDRAM/SEMC_CLK_R: length 16.2
  Top w0.09: v2(23.54,32.52) 23.54,32.6 23.2,32.94 23.14,32.94 U6.F2
  Bottom w0.09: v2(23.54,32.52) 23.48,32.47 23.48,32.32 23.48,32.31 23.48,31.34 23.6,31.22 23.92,31.22 24.02,31.32 24.02,32.04 24.13,32.14 24.33,32.14 24.43,32.04 24.43,31.32 24.53,31.22 27.68,31.22 27.92,31.46 27.92,31.6 27.82,31.7 27.49,31.7 27.39,31.8 27.39,32.01 27.49,32.11 28.13,32.11 28.23,32.21 28.23,32.41 28.13,32.52 27.49,32.52 27.39,32.62 27.39,32.82 27.49,32.92 28.11,32.92 28.21,33.02 28.21,33.91 28.11,34.01 28.04,34.01 27.94,34.11 27.94,34.32 28.04,34.42 28.13,34.42 28.23,34.52 28.23,34.72 28.13,34.82 27.8,34.82 27.69,34.93 27.69,35.13 27.8,35.23 28.13,35.23 28.4,35.5 28.4,35.56 ; 28.4,35.56 28.4,35.63 ; 28.4,35.56 28.45,35.62 28.45,35.67 ; R26.2 28.45,35.67 28.45,35.67 ; 28.45,35.67 28.45,35.71
/USB-C/USB_CON_DN: length 10.3
  Top w0.2: 37.49,59.44 37.49,58.83 36.99,58.32 36.99,58.34 36.49,58.83 36.49,59.44
  Top w0.25: 37.71,53.64 U5.1 37.71,53.64 37.71,53.64 ; 37.71,53.64 37.71,54.01 36.49,55.23 36.49,59.13 ; 36.49,59.44 36.49,59.13 ; 36.49,59.13 36.49,59.13 J1.A7 ; 37.49,59.13 37.49,59.13 J1.B7
/USB-C/USB_CON_DP: length 11.7
  Top w0.25: 35.81,53.34 U5.3 35.81,53.34 35.81,53.34 ; 35.81,53.34 35.81,53.42 36.45,54.06 36.45,54.57 35.99,55.02 35.99,57.59 ; 36.99,59.79 36.99,60.14 36.49,60.65 35.99,60.15 35.99,57.59 ; 36.99,59.79 36.99,59.79 J1.A6 ; 36.99,59.79 36.99,59.44 ; 35.99,57.59 35.99,57.59 J1.B6
ADC_1V8_IN: length 11.4
  Top w0.25: 38.46,34.48 38.46,34.51 38.85,34.9 38.85,35.41 39.11,35.66 41.26,35.66 v1(41.66,36.06) ; 38.46,34.48 v1(38.46,34.46) 38.46,34.48
  In1.Cu w0.25: v1(41.66,36.06) 42.02,36.42 42.02,38.02 v1(42.46,38.46)
  Bottom w0.25: 44.21,34.43 C43.1 FB2.2 44.19,35.71 44.14,35.66 42.14,35.66 41.76,36.03 41.7,36.1 ; 41.7,36.1 v1(41.66,36.06) ; 41.7,36.1 C38.1 ; C40.1 42.46,38.39 v1(42.46,38.46) ; C34.1 v1(38.46,34.46)
